# Altium PCB Main Shield Board.PcbDoc
Units mil, origin at the board's own origin, x right, y up, seen from the top; angles counter-clockwise.
Board outline 5000 x 4500 mil, 2 copper layers (Top Layer, Bottom Layer); 5 components, 39 nets, 80 pads, 0 vias.
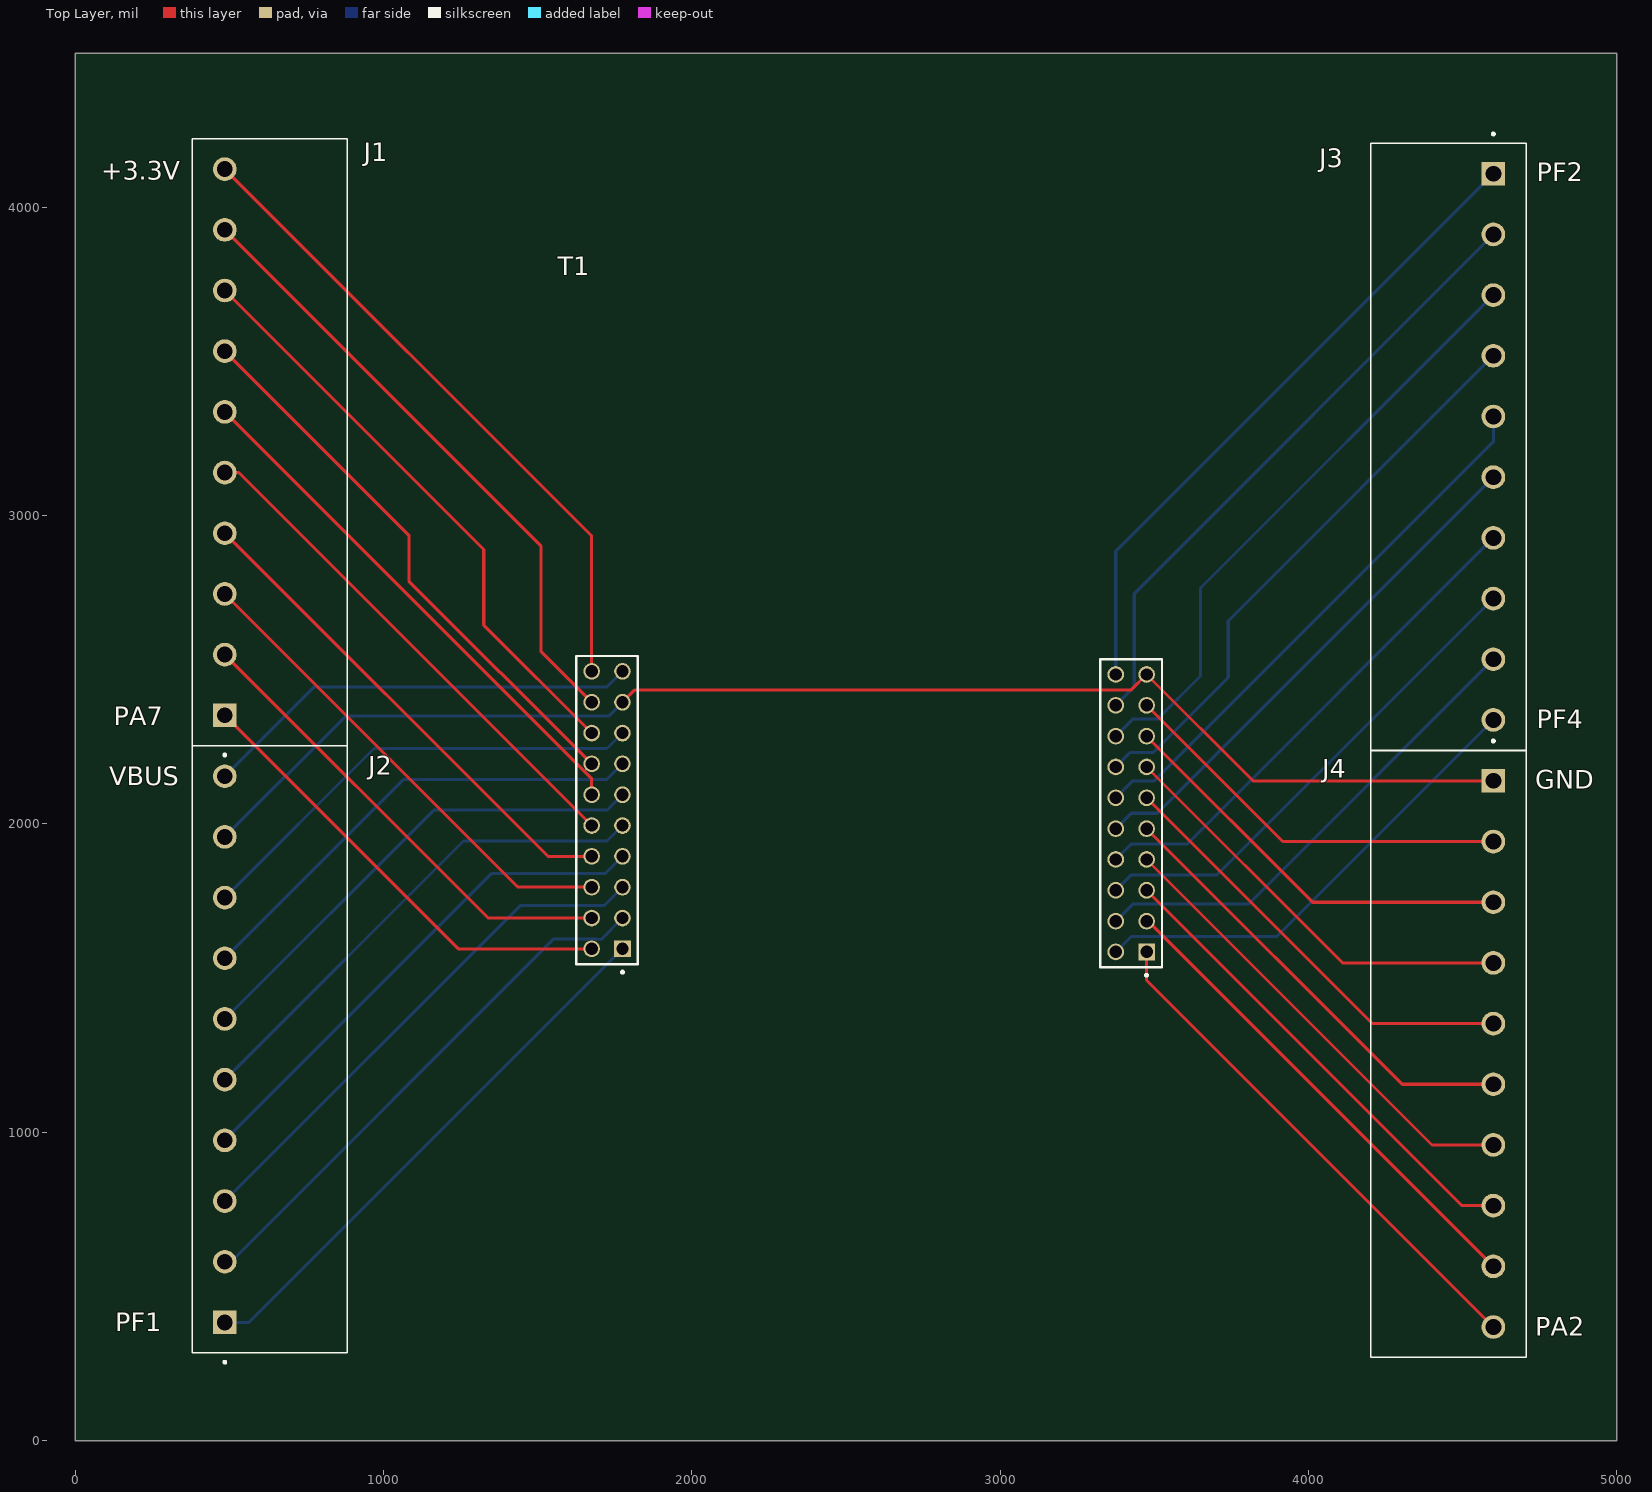
[diagram p0: Top Layer view]
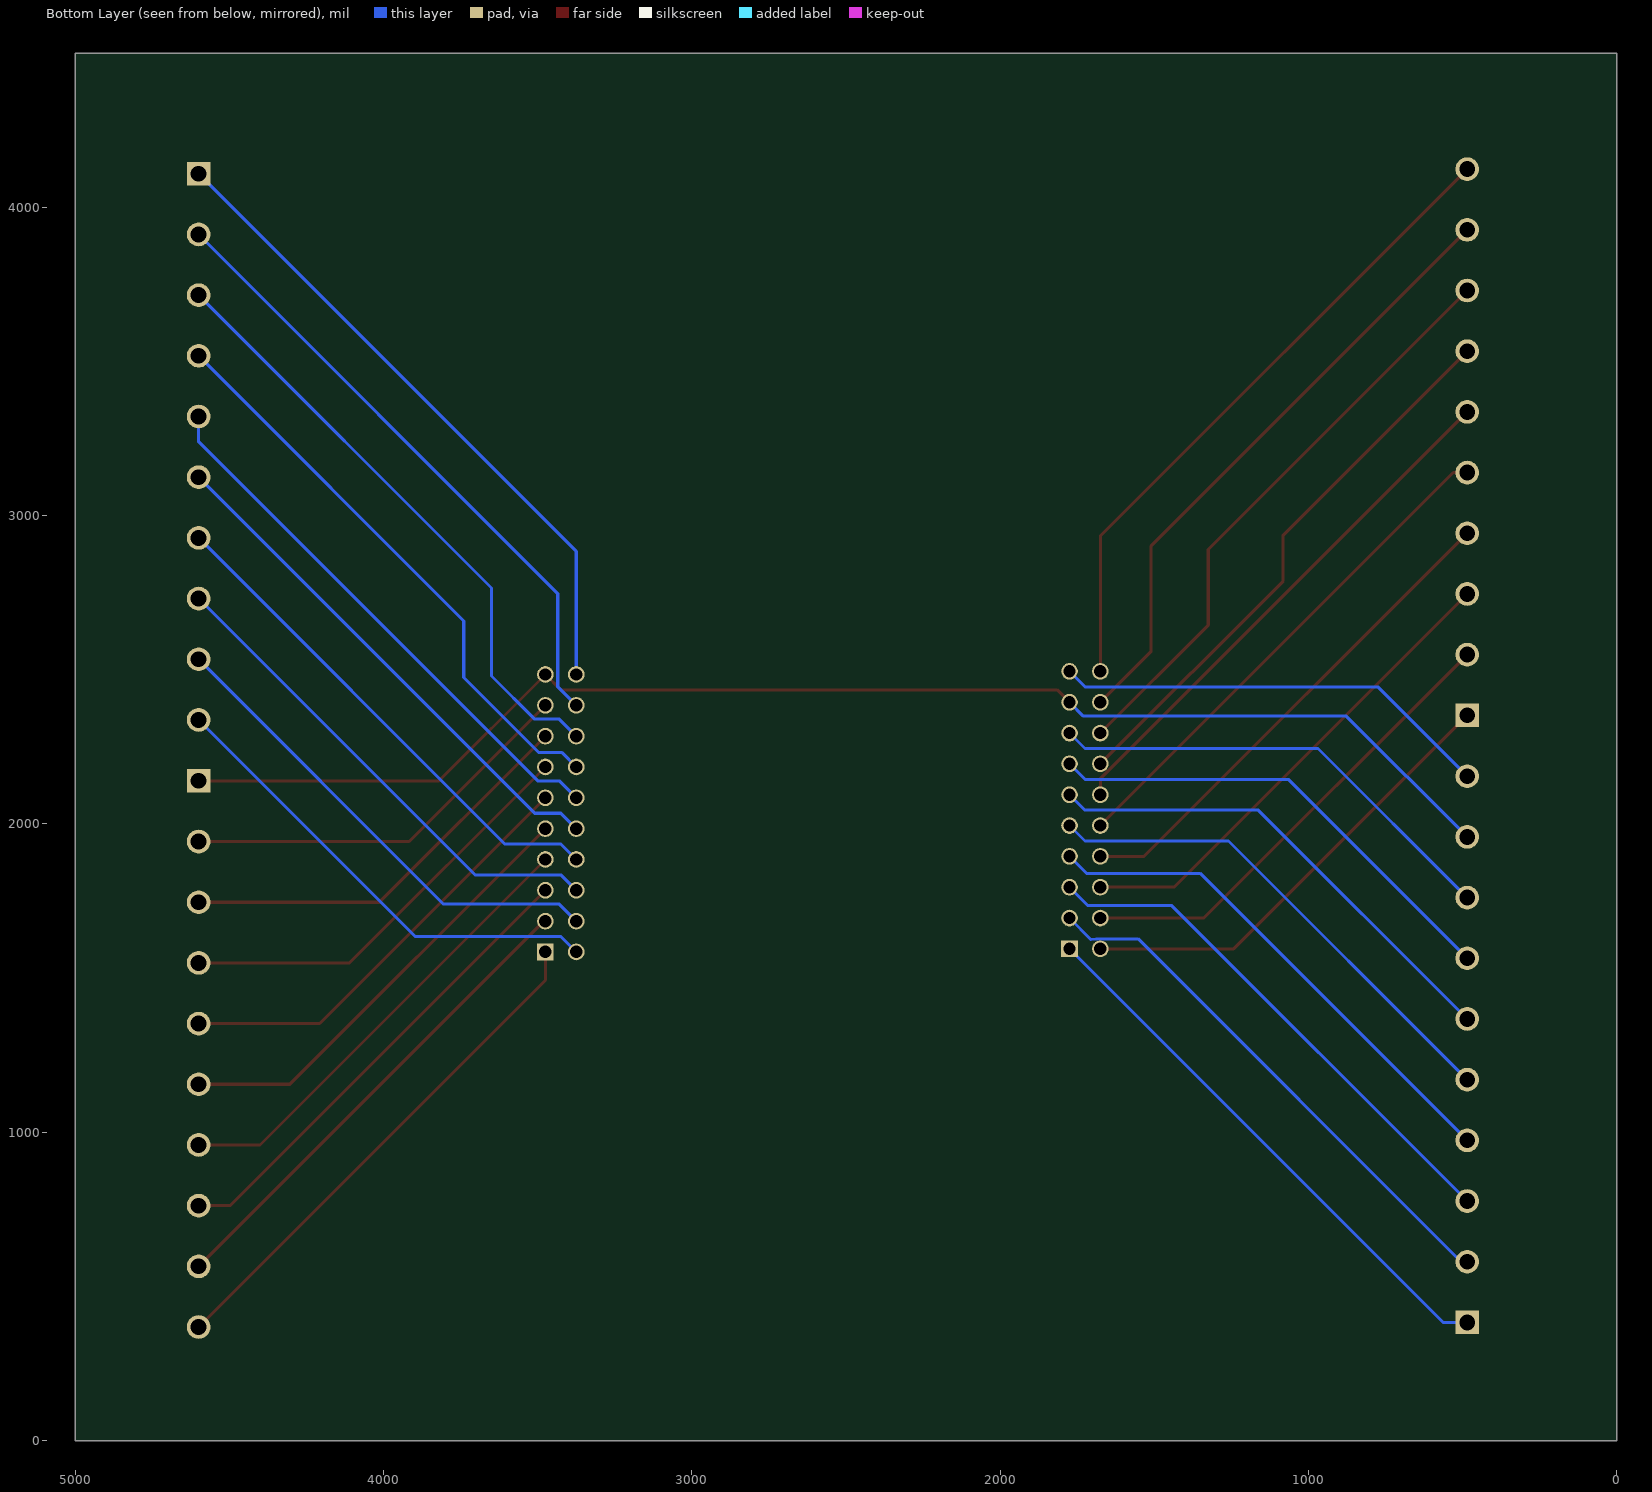
[diagram p1: Bottom Layer view, seen from below]

## Layer stack, top to bottom
Top Solder: solder mask 0.4, Solder Resist, Dk 3.5
Top Layer: signal copper 1.4
Dielectric 1: dielectric 12.6, FR-4, Dk 4.8
Bottom Layer: signal copper 1.4
Bottom Solder: solder mask 0.4, Solder Resist, Dk 3.5

## Board outline
0,0 5000,0 5000,4500 0,4500

## Design rules (kind name [scope] priority, off if disabled: settings)
Clearance [All] p1: gap=0.3 ignorepadtopadclearanceinfootprint=FALSE
PolygonConnect [All] p1: connectstyle=Relief reliefconductorwidth=10 reliefentries=4 polygonreliefangle="90 Angle" airgapwidth=10
RoutingVias [All] p1: holewidth=28 width=50 viastyle="Through Hole" minholewidth=28 minwidth=50 maxholewidth=28 maxwidth=50
SolderMaskExpansion [All] p1: expansion=4 istentingtop=FALSE
Width [All] p1: maxlimit=10 minlimit=10 preferedwidth=10
30 further rules are at their usual default settings.

## Components (designator, comment, footprint, x,y, rotation, side; value= is the part's Value field where it differs from the comment)
J1 "1x10 Terminal Block" PHOENIX_1988888 485,2352.6 r90 top
J2 "1x10 Terminal Block" PHOENIX_1988888 485,383.35 r90 top
J3 "1x10 Terminal Block" PHOENIX_1988888 4600,4109.25 r270 top
J4 "1x10 Terminal Block" PHOENIX_1988888 4600,2140 r270 top
T1 "TM4C" SAMTEC_TSW-110-23-S-D 1775,1595 r90 top

## Footprints (in the part's own frame and the unit in brackets; to place one, negate y for a bottom-side part, rotate by r counter-clockwise, add the part's x,y. Pads: shape width x height; smd on the part's side, far side on the other; paste and mask are expansions set on the pad)
PHOENIX_1988888 [mm]
  rect 1.95x1.95 hole 1.3: 1(0,0)
  round 1.95 hole 1.3: 2(5,0) 3(10,0) 4(15,0) 5(20,0) 6(25,0) 7(30,0) 8(35,0) 9(40,0) 10(45,0)
  silkscreen extent -3.38,-10.1 47.5,2.7, body extent -3.05,-10.11 47.52,2.71, height 11.93
SAMTEC_TSW-110-23-S-D [mm]
  round 1.37 hole 1.02: +3.3V(22.86,2.54) GND(20.32,0) GND(22.606,-43.18) P30(17.526,-43.18) PA3(2.286,-43.18) PA4(4.826,-43.18) PA5(5.08,2.54) PA6(2.54,2.54) PA7(0,2.54) PB0(17.78,2.54) PB1(15.24,2.54) PB2(20.066,-43.18) PB3(17.526,-40.64) PB4(7.62,2.54) PB5(20.32,2.54) PB6(7.366,-43.18) PB7(9.906,-43.18) PC4(14.986,-40.64) PC5(12.446,-40.64) PC6(9.906,-40.64) PC7(7.366,-40.64) PD0(17.78,0) PD1(15.24,0) PD2(12.7,0) PD3(10.16,0) PD6(4.826,-40.64) PD7(2.286,-40.64) PE1(7.62,0) PE2(5.08,0) PE3(2.54,0) PE4(12.7,2.54) PE5(10.16,2.54) PF0(14.986,-43.18) PF2(22.606,-40.64) PF3(20.066,-40.64) PF4(-0.254,-40.64) RST(12.446,-43.18) VBUS(22.86,0)
  rect 1.37x1.37 hole 1.02: PA2(-0.254,-43.18) PF1(0,0)
  silkscreen extent -2.27,-44.45 24.13,3.81, body extent -11.94,-45.59 54.1,5.21, height 19.91

## Part data
J1 J2 J3 J4: library part 1988888, "Conn PC Terminal Block 10 POS 5mm Solder Thru-Hole 17.5A", Color=Green, Current=15A, Current Rating=24A, Flammability Rating="UL94 V-0", Manufacturer="Phoenix Contact", Max Current Rating=17.5A, Package Quantity=100, Supplier Part Number 1=277-1772-ND, Voltage=300V, Voltage Rating=250V, Approvals=UL,VDE,CB,EAC, Category="Terminal Blocks", ComponentLink1Description=https://datasheet.ciiva.com/16051/1988888-16051357.pdf?src-supplier=Onlinecomponents.com, ComponentLink1URL=https://datasheet.ciiva.com/16051/1988888-16051357.pdf?src-supplier=Onlinecomponents.com, ComponentLink2Description=https://datasheet.ciiva.com/824/combiconcompact5-0mmseries-824318.pdf?src-supplier=Digi-Key, ComponentLink2URL=https://datasheet.ciiva.com/824/combiconcompact5-0mmseries-824318.pdf?src-supplier=Digi-Key, Height=11.9mm, Housing Color=Green, Housing Material=Nylon, Lead Free="Lead Free", Length=50mm, Manufacturer Part Number=1988888, Mount="Through Hole", Number of Circuits=10, Number of Contacts=10, Number of Levels=1, Number of Poles=10, Number of Positions=10, Number of Positions Per Level=10, Number of Rows=1, Packaging=Bulk, Pitch=5mm, Pricing 1="1=2.29000, 10=2.18900, 50=2.12940, 100=1.99000, 250=1.89448 (USD)", RoHS=Yes, RoHS Compliant=Yes, Series="COMBICON PTA", Stock 1=781, Supplier 1=Digi-Key, Termination=Screw, Weight=0.358383oz, Width=12.8mm, Wire Gauge (Max)=26AWG, Wire Gauge (Min)=12AWG

## Nets (pads, with @x,y where several pads share a name; then routed paths per layer and width w, separated by ;. In a path a pad name is that pad's centre, name@x,y a point inside that pad or via, vN(x,y) a via of type N, cw(c..) or ccw(c..) an arc to the next point about the centre after c; other vN are vias at no path point)
+3V3: J1.10 T1.+3.3V | length 2122.2
  Top Layer w10: J1.10 1675,2934.25 T1.+3.3V
GND: J2.9 J4.1 T1.GND | length 4476.1
  Top Layer w10: T1.GND@1775,2395 1815,2435 3425,2435 3475,2485 3820,2140 J4.1
  Bottom Layer w10: J2.9 876.85,2350 1730,2350 T1.GND@1775,2395
P30: J4.3 T1.P30 | length 1348.1
  Top Layer w10: T1.P30 4013.7,1746.3 J4.3
PA2: J4.10 T1.PA2 | length 1682.6
  Top Layer w10: T1.PA2 3475,1493.35 J4.10
PA3: J4.9 T1.PA3 | length 1588.8
  Top Layer w10: T1.PA3 3480.2,1685 J4.9
PA4: J4.8 T1.PA4 | length 1548.7
  Top Layer w10: T1.PA4 4497.95,762.05 J4.8
PA5: J1.3 T1.PA5 | length 1584
  Top Layer w10: J1.3 1436.3,1795 T1.PA5
PA6: J1.2 T1.PA6 | length 1543.9
  Top Layer w10: J1.2 1339.45,1695 T1.PA6
PA7: J1.1 T1.PA7 | length 1503.8
  Top Layer w10: J1.1 1242.6,1595 T1.PA7
PB0: J1.8 T1.PB0 | length 1928.5
  Top Layer w10: J1.8 1325,2890.55 1325,2645 T1.PB0
PB1: J1.7 T1.PB1 | length 1831.6
  Top Layer w10: J1.7 1082.18,2936.52 1082.18,2787.82 T1.PB1
PB2: J4.2 T1.PB2 | length 1308
  Top Layer w10: T1.PB2 3916.85,1943.15 J4.2
PB3: J3.3 T1.PB3 | length 1984.8
  Bottom Layer w10: T1.PB3 3430,2340 3510,2340 3650,2480 3650,2765.55 J3.3
PB4: J1.4 T1.PB4 | length 1624.2
  Top Layer w10: J1.4 1533.15,1895 T1.PB4
PB5: J1.9 T1.PB5 | length 2025.3
  Top Layer w10: J1.9 1510,2902.4 1510,2560 T1.PB5
PB6: J4.7 T1.PB6 | length 1508.6
  Top Layer w10: T1.PB6 4401.1,958.9 J4.7
PB7: J4.6 T1.PB7 | length 1468.5
  Top Layer w10: T1.PB7 4304.25,1155.75 J4.6
PC4: J3.4 T1.PC4 | length 1885
  Bottom Layer w10: T1.PC4 3422.52,2232.52 3497.52,2232.52 3740,2475 3740,2658.7 J3.4
PC5: J3.5 T1.PC5 | length 1785.3
  Bottom Layer w10: T1.PC5 3430,2140 3500,2140 4600,3240 J3.5
PC6: J3.6 T1.PC6 | length 1697.2
  Bottom Layer w10: T1.PC6 3425,2035 3510,2035 J3.6
PC7: J3.7 T1.PC7 | length 1657.1
  Bottom Layer w10: T1.PC7 3425,1935 3606.85,1935 J3.7
PD0: J2.8 T1.PD0 | length 1511.1
  Bottom Layer w10: J2.8 968.7,2245 1725,2245 T1.PD0
PD1: J2.7 T1.PD1 | length 1551.2
  Bottom Layer w10: J2.7 1065.55,2145 1725,2145 T1.PD1
PD2: J2.6 T1.PD2 | length 1591.3
  Bottom Layer w10: J2.6 1162.4,2045 1725,2045 T1.PD2
PD3: J2.5 T1.PD3 | length 1631.4
  Bottom Layer w10: J2.5 1259.25,1945 1725,1945 T1.PD3
PD6: J3.8 T1.PD6 | length 1617
  Bottom Layer w10: T1.PD6 3425,1835 3703.7,1835 J3.8
PD7: J3.9 T1.PD7 | length 1576.9
  Bottom Layer w10: T1.PD7 3430,1740 3805.55,1740 J3.9
PE1: J2.4 T1.PE1 | length 1671.5
  Bottom Layer w10: J2.4 1351.1,1840 1720,1840 T1.PE1
PE2: J2.3 T1.PE2 | length 1711.6
  Bottom Layer w10: J2.3 1442.95,1735 1715,1735 T1.PE2
PE3: J2.2 T1.PE3 | length 1752.9
  Bottom Layer w10: J2.2 505.2,580.2 1552.27,1627.27 1688.37,1627.27 1705,1625 T1.PE3
PE4: J1.6 T1.PE4 | length 1734.8
  Top Layer w10: J1.6 1675,2146.85 T1.PE4
PE5: J1.5 T1.PE5 | length 1664.3
  Top Layer w10: J1.5 530,3140 T1.PE5
PF0: J4.4 T1.PF0 | length 1388.3
  Top Layer w10: T1.PF0 4110.55,1549.45 J4.4
PF1: J2.1 T1.PF1 | length 1791.9
  Bottom Layer w10: J2.1 563.35,383.35 T1.PF1
PF2: J3.1 T1.PF2 | length 2131.7
  Bottom Layer w10: T1.PF2 3375,2884.25 J3.1
PF3: J3.2 T1.PF3 | length 2034.8
  Bottom Layer w10: T1.PF3 3435,2445 3435,2747.4 J3.2
PF4: J3.10 T1.PF4 | length 1536.7
  Bottom Layer w10: T1.PF4 3425,1635 3897.4,1635 J3.10
RST: J4.5 T1.RST | length 1428.4
  Top Layer w10: T1.RST 4207.4,1352.6 J4.5
VBUS: J2.10 T1.VBUS | length 1430.8
  Bottom Layer w10: J2.10 774.91,2444.91 1724.91,2444.91 T1.VBUS

## Silkscreen, mask and mechanical layers (free items; w line width, h text height)
Top Overlay:
  text "+3.3V" at 85,4090 h60
  text "PF2" at 4740,4085 h60
  text "PA7" at 125,2320 h60
  text "PF4" at 4740,2310 h60
  text "VBUS" at 110,2125 h60
  text "GND" at 4735,2115 h60
  text "PF1" at 130,355 h60
  text "PA2" at 4735,340 h60